# Altium PCB PCB3.PcbDoc (part 7 of 9)
Units mm, origin at the board's own origin, x right, y up, seen from the top; angles counter-clockwise.
Board outline 233.8 x 110.5 mm, 4 copper layers (Top Layer, Layer 1, Layer 2, Bottom Layer), stack 0.603 mm thick; 1414 components, 1732 nets, 4924 pads, 691 vias.
Unrouted connection lines stored in the file: 2464.
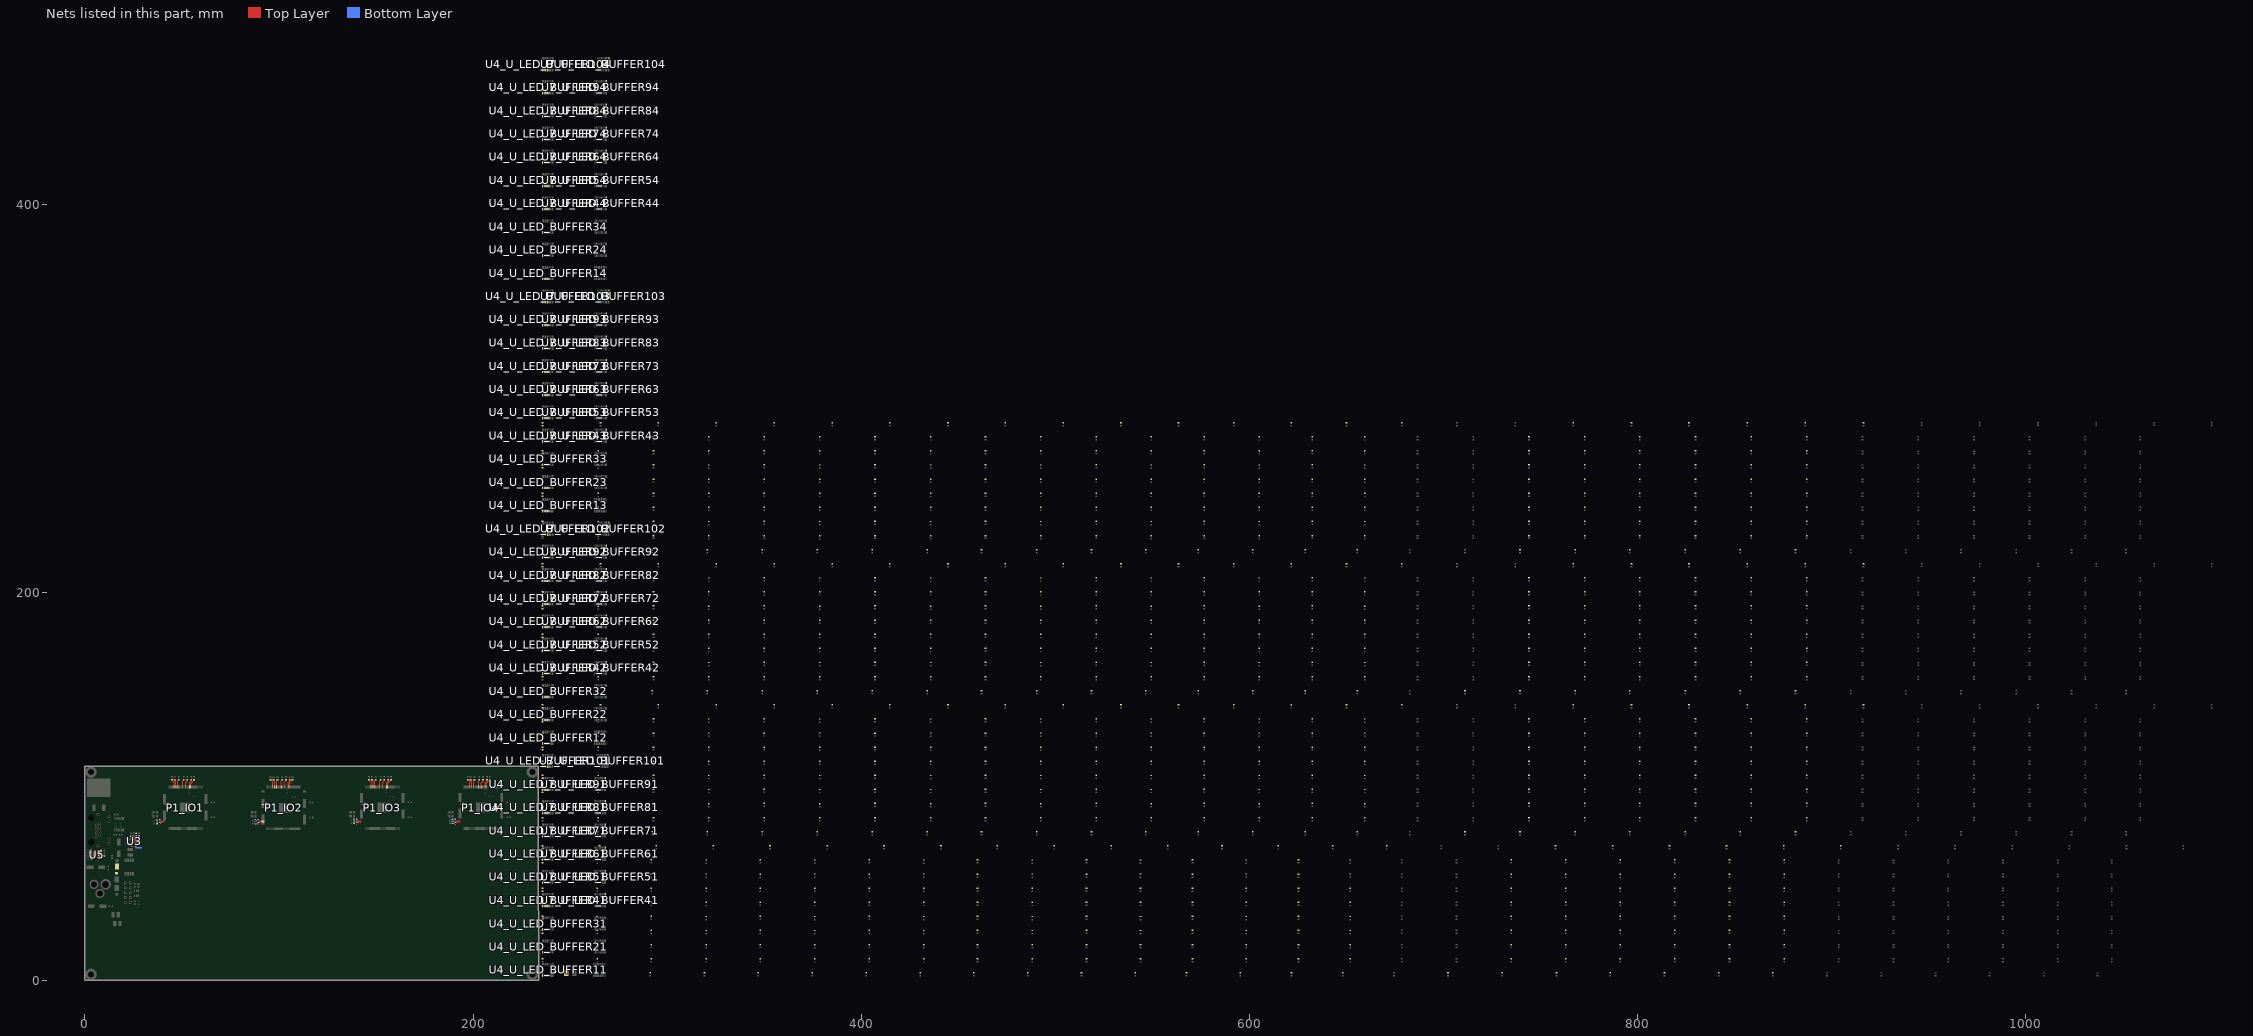
[diagram p9: the nets of this part, all layers, seen from the top]

## Via types
v1: diameter 0.61, hole 0.305, Top Layer to Bottom Layer, 691 vias

## Nets (pads, with @x,y where several pads share a name; then routed paths per layer and width w, separated by ;. In a path a pad name is that pad's centre, name@x,y a point inside that pad or via, vN(x,y) a via of type N, cw(c..) or ccw(c..) an arc to the next point about the centre after c; other vN are vias at no path point) (continued)
L_OUT8_U_LED_BUFFER41: R46_U_LED_BUFFER41.2 U7_U_LED_BUFFER41.11
L_OUT8_U_LED_BUFFER42: R46_U_LED_BUFFER42.2 U7_U_LED_BUFFER42.11
L_OUT8_U_LED_BUFFER43: R46_U_LED_BUFFER43.2 U7_U_LED_BUFFER43.11
L_OUT8_U_LED_BUFFER44: R46_U_LED_BUFFER44.2 U7_U_LED_BUFFER44.11
L_OUT8_U_LED_BUFFER51: R46_U_LED_BUFFER51.2 U7_U_LED_BUFFER51.11
L_OUT8_U_LED_BUFFER52: R46_U_LED_BUFFER52.2 U7_U_LED_BUFFER52.11
L_OUT8_U_LED_BUFFER53: R46_U_LED_BUFFER53.2 U7_U_LED_BUFFER53.11
L_OUT8_U_LED_BUFFER54: R46_U_LED_BUFFER54.2 U7_U_LED_BUFFER54.11
L_OUT8_U_LED_BUFFER61: R46_U_LED_BUFFER61.2 U7_U_LED_BUFFER61.11
L_OUT8_U_LED_BUFFER62: R46_U_LED_BUFFER62.2 U7_U_LED_BUFFER62.11
L_OUT8_U_LED_BUFFER63: R46_U_LED_BUFFER63.2 U7_U_LED_BUFFER63.11
L_OUT8_U_LED_BUFFER64: R46_U_LED_BUFFER64.2 U7_U_LED_BUFFER64.11
L_OUT8_U_LED_BUFFER71: R46_U_LED_BUFFER71.2 U7_U_LED_BUFFER71.11
L_OUT8_U_LED_BUFFER72: R46_U_LED_BUFFER72.2 U7_U_LED_BUFFER72.11
L_OUT8_U_LED_BUFFER73: R46_U_LED_BUFFER73.2 U7_U_LED_BUFFER73.11
L_OUT8_U_LED_BUFFER74: R46_U_LED_BUFFER74.2 U7_U_LED_BUFFER74.11
L_OUT8_U_LED_BUFFER81: R46_U_LED_BUFFER81.2 U7_U_LED_BUFFER81.11
L_OUT8_U_LED_BUFFER82: R46_U_LED_BUFFER82.2 U7_U_LED_BUFFER82.11
L_OUT8_U_LED_BUFFER83: R46_U_LED_BUFFER83.2 U7_U_LED_BUFFER83.11
L_OUT8_U_LED_BUFFER84: R46_U_LED_BUFFER84.2 U7_U_LED_BUFFER84.11
L_OUT8_U_LED_BUFFER91: R46_U_LED_BUFFER91.2 U7_U_LED_BUFFER91.11
L_OUT8_U_LED_BUFFER92: R46_U_LED_BUFFER92.2 U7_U_LED_BUFFER92.11
L_OUT8_U_LED_BUFFER93: R46_U_LED_BUFFER93.2 U7_U_LED_BUFFER93.11
L_OUT8_U_LED_BUFFER94: R46_U_LED_BUFFER94.2 U7_U_LED_BUFFER94.11
L_OUT8_U_LED_BUFFER101: R46_U_LED_BUFFER101.2 U7_U_LED_BUFFER101.11
L_OUT8_U_LED_BUFFER102: R46_U_LED_BUFFER102.2 U7_U_LED_BUFFER102.11
L_OUT8_U_LED_BUFFER103: R46_U_LED_BUFFER103.2 U7_U_LED_BUFFER103.11
L_OUT8_U_LED_BUFFER104: R46_U_LED_BUFFER104.2 U7_U_LED_BUFFER104.11
LED0_IO1: P1_IO1.32 R8_IO1.2 | length 2.4
  Top Layer w0.254: v1(38.594,82.384) 38.709,82.269 P1_IO1.32@40.944,82.269
LED0_IO2: P1_IO2.32 R8_IO2.2 | length 2.4
  Top Layer w0.254: v1(89.422,82.318) 89.537,82.203 P1_IO2.32@91.772,82.203
LED0_IO3: P1_IO3.32 R8_IO3.2 | length 2.4
  Top Layer w0.254: v1(140.143,82.405) 140.258,82.291 P1_IO3.32@142.493,82.291
LED0_IO4: P1_IO4.32 R8_IO4.2 | length 2.4
  Top Layer w0.254: v1(191.02,82.409) 191.134,82.295 P1_IO4.32@193.369,82.295
LED1_IO1: P1_IO1.33 R21_IO1.2 | length 2.8
  Top Layer w0.254: v1(38.518,80.783) 39.1,81.365 39.504,81.769 P1_IO1.33@40.944,81.769
LED1_IO2: P1_IO2.33 R21_IO2.2 | length 2.8
  Top Layer w0.254: v1(89.346,80.717) 89.928,81.299 90.332,81.703 P1_IO2.33@91.772,81.703
LED1_IO3: P1_IO3.33 R21_IO3.2 | length 2.8
  Top Layer w0.254: v1(140.067,80.805) 140.649,81.387 141.053,81.791 P1_IO3.33@142.493,81.791
LED1_IO4: P1_IO4.33 R21_IO4.2 | length 2.8
  Top Layer w0.254: v1(190.943,80.809) 191.525,81.391 191.929,81.795 P1_IO4.33@193.369,81.795
NetC18_1: C18.1 L4.1 U3.3 | length 12
  Top Layer w0.305: U3.3@25.671,70.788 25.671,70.407 26.006,70.073 v1(26.006,68.299)
  Bottom Layer w0.305: v1@26.115,68.408 26.397,68.69 C18.1@26.397,74.386
  Bottom Layer w0.762: v1(26.006,68.299) 29.133,68.299 29.242,68.408
NetC18_2: C18.2 R16.2
  other v1: 26.346,76.333
NetC21_2: C21.2 U3.1 | length 1.5
  Top Layer w0.254: C21.2@24.259,69.427 24.671,69.839 U3.1@24.671,70.788
NetC22_2: C22.2 U3.7 | length 2.9
  Top Layer w0.305: C22.2@23.591,74.386 23.591,73.945 24.132,73.405 24.666,73.405 25.171,72.899 U3.7@25.171,72.464
NetC25_2: C25.2 R18.1 R28.1 R29.1 | length 2.8
  Top Layer w0.305: 27.815,72.937 v1(27.815,73.626) 27.815,74.314 R18.1@27.817,74.317
  Bottom Layer w0.305: 27.815,72.937 27.815,74.376 C25.2@27.817,74.379
NetC77_2: C77.2 U5.11 | length 2.6
  Top Layer w0.178: U5.11@7.129,65.146 7.431,65.146 7.711,65.426 7.711,66.205 C77.2@8.485,66.978
NetD1_IO1_1: D1_IO1.1 R8_IO1.1
  other v1: 37.149,82.564
NetD1_IO2_1: D1_IO2.1 R8_IO2.1
  other v1: 87.977,82.498
NetD1_IO3_1: D1_IO3.1 R8_IO3.1
  other v1: 138.698,82.586
NetD1_IO4_1: D1_IO4.1 R8_IO4.1
  other v1: 189.574,82.589
NetD2_IO1_1: D2_IO1.1 R21_IO1.1 | length 0.5
  Bottom Layer w0.254: R21_IO1.1@36.684,81.337 v1(37.159,81.337)
NetD2_IO2_1: D2_IO2.1 R21_IO2.1 | length 0.5
  Bottom Layer w0.254: R21_IO2.1@87.512,81.271 v1(87.987,81.271)
NetD2_IO3_1: D2_IO3.1 R21_IO3.1 | length 0.5
  Bottom Layer w0.254: R21_IO3.1@138.233,81.359 v1(138.708,81.359)
NetD2_IO4_1: D2_IO4.1 R21_IO4.1 | length 0.5
  Bottom Layer w0.254: R21_IO4.1@189.11,81.363 v1(189.585,81.363)
NetD3_1: D3.1 R37.2
  other v1: 10.351,64.166
NetD3_2: D3.2 U5.9 | length 1.2
  Top Layer w0.178: U5.9@7.129,64.146 8.259,64.146 D3.2@8.318,64.205
NetD4_1: D4.1 D5.2
NetD7_U_LED_BUFFER11_2: D7_U_LED_BUFFER11.2 R9_U_LED_BUFFER11.1
NetD7_U_LED_BUFFER12_2: D7_U_LED_BUFFER12.2 R9_U_LED_BUFFER12.1
NetD7_U_LED_BUFFER13_2: D7_U_LED_BUFFER13.2 R9_U_LED_BUFFER13.1
NetD7_U_LED_BUFFER14_2: D7_U_LED_BUFFER14.2 R9_U_LED_BUFFER14.1
NetD7_U_LED_BUFFER21_2: D7_U_LED_BUFFER21.2 R9_U_LED_BUFFER21.1
NetD7_U_LED_BUFFER22_2: D7_U_LED_BUFFER22.2 R9_U_LED_BUFFER22.1
NetD7_U_LED_BUFFER23_2: D7_U_LED_BUFFER23.2 R9_U_LED_BUFFER23.1
NetD7_U_LED_BUFFER24_2: D7_U_LED_BUFFER24.2 R9_U_LED_BUFFER24.1
NetD7_U_LED_BUFFER31_2: D7_U_LED_BUFFER31.2 R9_U_LED_BUFFER31.1
NetD7_U_LED_BUFFER32_2: D7_U_LED_BUFFER32.2 R9_U_LED_BUFFER32.1
NetD7_U_LED_BUFFER33_2: D7_U_LED_BUFFER33.2 R9_U_LED_BUFFER33.1
NetD7_U_LED_BUFFER34_2: D7_U_LED_BUFFER34.2 R9_U_LED_BUFFER34.1
NetD7_U_LED_BUFFER41_2: D7_U_LED_BUFFER41.2 R9_U_LED_BUFFER41.1
NetD7_U_LED_BUFFER42_2: D7_U_LED_BUFFER42.2 R9_U_LED_BUFFER42.1
NetD7_U_LED_BUFFER43_2: D7_U_LED_BUFFER43.2 R9_U_LED_BUFFER43.1
NetD7_U_LED_BUFFER44_2: D7_U_LED_BUFFER44.2 R9_U_LED_BUFFER44.1
NetD7_U_LED_BUFFER51_2: D7_U_LED_BUFFER51.2 R9_U_LED_BUFFER51.1
NetD7_U_LED_BUFFER52_2: D7_U_LED_BUFFER52.2 R9_U_LED_BUFFER52.1
NetD7_U_LED_BUFFER53_2: D7_U_LED_BUFFER53.2 R9_U_LED_BUFFER53.1
NetD7_U_LED_BUFFER54_2: D7_U_LED_BUFFER54.2 R9_U_LED_BUFFER54.1
NetD7_U_LED_BUFFER61_2: D7_U_LED_BUFFER61.2 R9_U_LED_BUFFER61.1
NetD7_U_LED_BUFFER62_2: D7_U_LED_BUFFER62.2 R9_U_LED_BUFFER62.1
NetD7_U_LED_BUFFER63_2: D7_U_LED_BUFFER63.2 R9_U_LED_BUFFER63.1
NetD7_U_LED_BUFFER64_2: D7_U_LED_BUFFER64.2 R9_U_LED_BUFFER64.1
NetD7_U_LED_BUFFER71_2: D7_U_LED_BUFFER71.2 R9_U_LED_BUFFER71.1
NetD7_U_LED_BUFFER72_2: D7_U_LED_BUFFER72.2 R9_U_LED_BUFFER72.1
NetD7_U_LED_BUFFER73_2: D7_U_LED_BUFFER73.2 R9_U_LED_BUFFER73.1
NetD7_U_LED_BUFFER74_2: D7_U_LED_BUFFER74.2 R9_U_LED_BUFFER74.1
NetD7_U_LED_BUFFER81_2: D7_U_LED_BUFFER81.2 R9_U_LED_BUFFER81.1
NetD7_U_LED_BUFFER82_2: D7_U_LED_BUFFER82.2 R9_U_LED_BUFFER82.1
NetD7_U_LED_BUFFER83_2: D7_U_LED_BUFFER83.2 R9_U_LED_BUFFER83.1
NetD7_U_LED_BUFFER84_2: D7_U_LED_BUFFER84.2 R9_U_LED_BUFFER84.1
NetD7_U_LED_BUFFER91_2: D7_U_LED_BUFFER91.2 R9_U_LED_BUFFER91.1
NetD7_U_LED_BUFFER92_2: D7_U_LED_BUFFER92.2 R9_U_LED_BUFFER92.1
NetD7_U_LED_BUFFER93_2: D7_U_LED_BUFFER93.2 R9_U_LED_BUFFER93.1
NetD7_U_LED_BUFFER94_2: D7_U_LED_BUFFER94.2 R9_U_LED_BUFFER94.1
NetD7_U_LED_BUFFER101_2: D7_U_LED_BUFFER101.2 R9_U_LED_BUFFER101.1
NetD7_U_LED_BUFFER102_2: D7_U_LED_BUFFER102.2 R9_U_LED_BUFFER102.1
NetD7_U_LED_BUFFER103_2: D7_U_LED_BUFFER103.2 R9_U_LED_BUFFER103.1
NetD7_U_LED_BUFFER104_2: D7_U_LED_BUFFER104.2 R9_U_LED_BUFFER104.1
NetD8_U_LED_BUFFER11_2: D8_U_LED_BUFFER11.2 R17_U_LED_BUFFER11.1
NetD8_U_LED_BUFFER12_2: D8_U_LED_BUFFER12.2 R17_U_LED_BUFFER12.1
NetD8_U_LED_BUFFER13_2: D8_U_LED_BUFFER13.2 R17_U_LED_BUFFER13.1
NetD8_U_LED_BUFFER14_2: D8_U_LED_BUFFER14.2 R17_U_LED_BUFFER14.1
NetD8_U_LED_BUFFER21_2: D8_U_LED_BUFFER21.2 R17_U_LED_BUFFER21.1
NetD8_U_LED_BUFFER22_2: D8_U_LED_BUFFER22.2 R17_U_LED_BUFFER22.1
NetD8_U_LED_BUFFER23_2: D8_U_LED_BUFFER23.2 R17_U_LED_BUFFER23.1
NetD8_U_LED_BUFFER24_2: D8_U_LED_BUFFER24.2 R17_U_LED_BUFFER24.1
NetD8_U_LED_BUFFER31_2: D8_U_LED_BUFFER31.2 R17_U_LED_BUFFER31.1
NetD8_U_LED_BUFFER32_2: D8_U_LED_BUFFER32.2 R17_U_LED_BUFFER32.1
NetD8_U_LED_BUFFER33_2: D8_U_LED_BUFFER33.2 R17_U_LED_BUFFER33.1
NetD8_U_LED_BUFFER34_2: D8_U_LED_BUFFER34.2 R17_U_LED_BUFFER34.1
NetD8_U_LED_BUFFER41_2: D8_U_LED_BUFFER41.2 R17_U_LED_BUFFER41.1
NetD8_U_LED_BUFFER42_2: D8_U_LED_BUFFER42.2 R17_U_LED_BUFFER42.1
NetD8_U_LED_BUFFER43_2: D8_U_LED_BUFFER43.2 R17_U_LED_BUFFER43.1
NetD8_U_LED_BUFFER44_2: D8_U_LED_BUFFER44.2 R17_U_LED_BUFFER44.1
NetD8_U_LED_BUFFER51_2: D8_U_LED_BUFFER51.2 R17_U_LED_BUFFER51.1
NetD8_U_LED_BUFFER52_2: D8_U_LED_BUFFER52.2 R17_U_LED_BUFFER52.1
NetD8_U_LED_BUFFER53_2: D8_U_LED_BUFFER53.2 R17_U_LED_BUFFER53.1
NetD8_U_LED_BUFFER54_2: D8_U_LED_BUFFER54.2 R17_U_LED_BUFFER54.1
NetD8_U_LED_BUFFER61_2: D8_U_LED_BUFFER61.2 R17_U_LED_BUFFER61.1
NetD8_U_LED_BUFFER62_2: D8_U_LED_BUFFER62.2 R17_U_LED_BUFFER62.1
NetD8_U_LED_BUFFER63_2: D8_U_LED_BUFFER63.2 R17_U_LED_BUFFER63.1
NetD8_U_LED_BUFFER64_2: D8_U_LED_BUFFER64.2 R17_U_LED_BUFFER64.1
NetD8_U_LED_BUFFER71_2: D8_U_LED_BUFFER71.2 R17_U_LED_BUFFER71.1
NetD8_U_LED_BUFFER72_2: D8_U_LED_BUFFER72.2 R17_U_LED_BUFFER72.1
NetD8_U_LED_BUFFER73_2: D8_U_LED_BUFFER73.2 R17_U_LED_BUFFER73.1
NetD8_U_LED_BUFFER74_2: D8_U_LED_BUFFER74.2 R17_U_LED_BUFFER74.1
NetD8_U_LED_BUFFER81_2: D8_U_LED_BUFFER81.2 R17_U_LED_BUFFER81.1
NetD8_U_LED_BUFFER82_2: D8_U_LED_BUFFER82.2 R17_U_LED_BUFFER82.1
NetD8_U_LED_BUFFER83_2: D8_U_LED_BUFFER83.2 R17_U_LED_BUFFER83.1
NetD8_U_LED_BUFFER84_2: D8_U_LED_BUFFER84.2 R17_U_LED_BUFFER84.1
NetD8_U_LED_BUFFER91_2: D8_U_LED_BUFFER91.2 R17_U_LED_BUFFER91.1
NetD8_U_LED_BUFFER92_2: D8_U_LED_BUFFER92.2 R17_U_LED_BUFFER92.1
NetD8_U_LED_BUFFER93_2: D8_U_LED_BUFFER93.2 R17_U_LED_BUFFER93.1
NetD8_U_LED_BUFFER94_2: D8_U_LED_BUFFER94.2 R17_U_LED_BUFFER94.1
NetD8_U_LED_BUFFER101_2: D8_U_LED_BUFFER101.2 R17_U_LED_BUFFER101.1
NetD8_U_LED_BUFFER102_2: D8_U_LED_BUFFER102.2 R17_U_LED_BUFFER102.1
NetD8_U_LED_BUFFER103_2: D8_U_LED_BUFFER103.2 R17_U_LED_BUFFER103.1
NetD8_U_LED_BUFFER104_2: D8_U_LED_BUFFER104.2 R17_U_LED_BUFFER104.1
NetD9_U_LED_BUFFER11_2: D9_U_LED_BUFFER11.2 R19_U_LED_BUFFER11.1
NetD9_U_LED_BUFFER12_2: D9_U_LED_BUFFER12.2 R19_U_LED_BUFFER12.1
NetD9_U_LED_BUFFER13_2: D9_U_LED_BUFFER13.2 R19_U_LED_BUFFER13.1
NetD9_U_LED_BUFFER14_2: D9_U_LED_BUFFER14.2 R19_U_LED_BUFFER14.1
NetD9_U_LED_BUFFER21_2: D9_U_LED_BUFFER21.2 R19_U_LED_BUFFER21.1
NetD9_U_LED_BUFFER22_2: D9_U_LED_BUFFER22.2 R19_U_LED_BUFFER22.1
NetD9_U_LED_BUFFER23_2: D9_U_LED_BUFFER23.2 R19_U_LED_BUFFER23.1
NetD9_U_LED_BUFFER24_2: D9_U_LED_BUFFER24.2 R19_U_LED_BUFFER24.1
NetD9_U_LED_BUFFER31_2: D9_U_LED_BUFFER31.2 R19_U_LED_BUFFER31.1
NetD9_U_LED_BUFFER32_2: D9_U_LED_BUFFER32.2 R19_U_LED_BUFFER32.1
NetD9_U_LED_BUFFER33_2: D9_U_LED_BUFFER33.2 R19_U_LED_BUFFER33.1
NetD9_U_LED_BUFFER34_2: D9_U_LED_BUFFER34.2 R19_U_LED_BUFFER34.1
NetD9_U_LED_BUFFER41_2: D9_U_LED_BUFFER41.2 R19_U_LED_BUFFER41.1
NetD9_U_LED_BUFFER42_2: D9_U_LED_BUFFER42.2 R19_U_LED_BUFFER42.1
NetD9_U_LED_BUFFER43_2: D9_U_LED_BUFFER43.2 R19_U_LED_BUFFER43.1
NetD9_U_LED_BUFFER44_2: D9_U_LED_BUFFER44.2 R19_U_LED_BUFFER44.1
NetD9_U_LED_BUFFER51_2: D9_U_LED_BUFFER51.2 R19_U_LED_BUFFER51.1
NetD9_U_LED_BUFFER52_2: D9_U_LED_BUFFER52.2 R19_U_LED_BUFFER52.1
NetD9_U_LED_BUFFER53_2: D9_U_LED_BUFFER53.2 R19_U_LED_BUFFER53.1
NetD9_U_LED_BUFFER54_2: D9_U_LED_BUFFER54.2 R19_U_LED_BUFFER54.1
NetD9_U_LED_BUFFER61_2: D9_U_LED_BUFFER61.2 R19_U_LED_BUFFER61.1
NetD9_U_LED_BUFFER62_2: D9_U_LED_BUFFER62.2 R19_U_LED_BUFFER62.1
NetD9_U_LED_BUFFER63_2: D9_U_LED_BUFFER63.2 R19_U_LED_BUFFER63.1
NetD9_U_LED_BUFFER64_2: D9_U_LED_BUFFER64.2 R19_U_LED_BUFFER64.1
NetD9_U_LED_BUFFER71_2: D9_U_LED_BUFFER71.2 R19_U_LED_BUFFER71.1
NetD9_U_LED_BUFFER72_2: D9_U_LED_BUFFER72.2 R19_U_LED_BUFFER72.1
NetD9_U_LED_BUFFER73_2: D9_U_LED_BUFFER73.2 R19_U_LED_BUFFER73.1
NetD9_U_LED_BUFFER74_2: D9_U_LED_BUFFER74.2 R19_U_LED_BUFFER74.1
NetD9_U_LED_BUFFER81_2: D9_U_LED_BUFFER81.2 R19_U_LED_BUFFER81.1
NetD9_U_LED_BUFFER82_2: D9_U_LED_BUFFER82.2 R19_U_LED_BUFFER82.1
NetD9_U_LED_BUFFER83_2: D9_U_LED_BUFFER83.2 R19_U_LED_BUFFER83.1
NetD9_U_LED_BUFFER84_2: D9_U_LED_BUFFER84.2 R19_U_LED_BUFFER84.1
NetD9_U_LED_BUFFER91_2: D9_U_LED_BUFFER91.2 R19_U_LED_BUFFER91.1
NetD9_U_LED_BUFFER92_2: D9_U_LED_BUFFER92.2 R19_U_LED_BUFFER92.1
NetD9_U_LED_BUFFER93_2: D9_U_LED_BUFFER93.2 R19_U_LED_BUFFER93.1
NetD9_U_LED_BUFFER94_2: D9_U_LED_BUFFER94.2 R19_U_LED_BUFFER94.1
NetD9_U_LED_BUFFER101_2: D9_U_LED_BUFFER101.2 R19_U_LED_BUFFER101.1
NetD9_U_LED_BUFFER102_2: D9_U_LED_BUFFER102.2 R19_U_LED_BUFFER102.1
NetD9_U_LED_BUFFER103_2: D9_U_LED_BUFFER103.2 R19_U_LED_BUFFER103.1
NetD9_U_LED_BUFFER104_2: D9_U_LED_BUFFER104.2 R19_U_LED_BUFFER104.1
NetD10_U_LED_BUFFER11_2: D10_U_LED_BUFFER11.2 R22_U_LED_BUFFER11.1
NetD10_U_LED_BUFFER12_2: D10_U_LED_BUFFER12.2 R22_U_LED_BUFFER12.1
NetD10_U_LED_BUFFER13_2: D10_U_LED_BUFFER13.2 R22_U_LED_BUFFER13.1
NetD10_U_LED_BUFFER14_2: D10_U_LED_BUFFER14.2 R22_U_LED_BUFFER14.1
NetD10_U_LED_BUFFER21_2: D10_U_LED_BUFFER21.2 R22_U_LED_BUFFER21.1
NetD10_U_LED_BUFFER22_2: D10_U_LED_BUFFER22.2 R22_U_LED_BUFFER22.1
NetD10_U_LED_BUFFER23_2: D10_U_LED_BUFFER23.2 R22_U_LED_BUFFER23.1
NetD10_U_LED_BUFFER24_2: D10_U_LED_BUFFER24.2 R22_U_LED_BUFFER24.1
NetD10_U_LED_BUFFER31_2: D10_U_LED_BUFFER31.2 R22_U_LED_BUFFER31.1
NetD10_U_LED_BUFFER32_2: D10_U_LED_BUFFER32.2 R22_U_LED_BUFFER32.1
NetD10_U_LED_BUFFER33_2: D10_U_LED_BUFFER33.2 R22_U_LED_BUFFER33.1
NetD10_U_LED_BUFFER34_2: D10_U_LED_BUFFER34.2 R22_U_LED_BUFFER34.1
NetD10_U_LED_BUFFER41_2: D10_U_LED_BUFFER41.2 R22_U_LED_BUFFER41.1
NetD10_U_LED_BUFFER42_2: D10_U_LED_BUFFER42.2 R22_U_LED_BUFFER42.1
NetD10_U_LED_BUFFER43_2: D10_U_LED_BUFFER43.2 R22_U_LED_BUFFER43.1
NetD10_U_LED_BUFFER44_2: D10_U_LED_BUFFER44.2 R22_U_LED_BUFFER44.1
NetD10_U_LED_BUFFER51_2: D10_U_LED_BUFFER51.2 R22_U_LED_BUFFER51.1
NetD10_U_LED_BUFFER52_2: D10_U_LED_BUFFER52.2 R22_U_LED_BUFFER52.1
NetD10_U_LED_BUFFER53_2: D10_U_LED_BUFFER53.2 R22_U_LED_BUFFER53.1
NetD10_U_LED_BUFFER54_2: D10_U_LED_BUFFER54.2 R22_U_LED_BUFFER54.1
NetD10_U_LED_BUFFER61_2: D10_U_LED_BUFFER61.2 R22_U_LED_BUFFER61.1
NetD10_U_LED_BUFFER62_2: D10_U_LED_BUFFER62.2 R22_U_LED_BUFFER62.1
NetD10_U_LED_BUFFER63_2: D10_U_LED_BUFFER63.2 R22_U_LED_BUFFER63.1
NetD10_U_LED_BUFFER64_2: D10_U_LED_BUFFER64.2 R22_U_LED_BUFFER64.1
NetD10_U_LED_BUFFER71_2: D10_U_LED_BUFFER71.2 R22_U_LED_BUFFER71.1
NetD10_U_LED_BUFFER72_2: D10_U_LED_BUFFER72.2 R22_U_LED_BUFFER72.1
NetD10_U_LED_BUFFER73_2: D10_U_LED_BUFFER73.2 R22_U_LED_BUFFER73.1
NetD10_U_LED_BUFFER74_2: D10_U_LED_BUFFER74.2 R22_U_LED_BUFFER74.1
NetD10_U_LED_BUFFER81_2: D10_U_LED_BUFFER81.2 R22_U_LED_BUFFER81.1
NetD10_U_LED_BUFFER82_2: D10_U_LED_BUFFER82.2 R22_U_LED_BUFFER82.1
NetD10_U_LED_BUFFER83_2: D10_U_LED_BUFFER83.2 R22_U_LED_BUFFER83.1
NetD10_U_LED_BUFFER84_2: D10_U_LED_BUFFER84.2 R22_U_LED_BUFFER84.1
NetD10_U_LED_BUFFER91_2: D10_U_LED_BUFFER91.2 R22_U_LED_BUFFER91.1
NetD10_U_LED_BUFFER92_2: D10_U_LED_BUFFER92.2 R22_U_LED_BUFFER92.1
NetD10_U_LED_BUFFER93_2: D10_U_LED_BUFFER93.2 R22_U_LED_BUFFER93.1
NetD10_U_LED_BUFFER94_2: D10_U_LED_BUFFER94.2 R22_U_LED_BUFFER94.1
NetD10_U_LED_BUFFER101_2: D10_U_LED_BUFFER101.2 R22_U_LED_BUFFER101.1
NetD10_U_LED_BUFFER102_2: D10_U_LED_BUFFER102.2 R22_U_LED_BUFFER102.1
NetD10_U_LED_BUFFER103_2: D10_U_LED_BUFFER103.2 R22_U_LED_BUFFER103.1
NetD10_U_LED_BUFFER104_2: D10_U_LED_BUFFER104.2 R22_U_LED_BUFFER104.1
NetD11_U_LED_BUFFER11_2: D11_U_LED_BUFFER11.2 R26_U_LED_BUFFER11.1
NetD11_U_LED_BUFFER12_2: D11_U_LED_BUFFER12.2 R26_U_LED_BUFFER12.1
NetD11_U_LED_BUFFER13_2: D11_U_LED_BUFFER13.2 R26_U_LED_BUFFER13.1
NetD11_U_LED_BUFFER14_2: D11_U_LED_BUFFER14.2 R26_U_LED_BUFFER14.1
NetD11_U_LED_BUFFER21_2: D11_U_LED_BUFFER21.2 R26_U_LED_BUFFER21.1
NetD11_U_LED_BUFFER22_2: D11_U_LED_BUFFER22.2 R26_U_LED_BUFFER22.1
NetD11_U_LED_BUFFER23_2: D11_U_LED_BUFFER23.2 R26_U_LED_BUFFER23.1
NetD11_U_LED_BUFFER24_2: D11_U_LED_BUFFER24.2 R26_U_LED_BUFFER24.1
NetD11_U_LED_BUFFER31_2: D11_U_LED_BUFFER31.2 R26_U_LED_BUFFER31.1
NetD11_U_LED_BUFFER32_2: D11_U_LED_BUFFER32.2 R26_U_LED_BUFFER32.1
NetD11_U_LED_BUFFER33_2: D11_U_LED_BUFFER33.2 R26_U_LED_BUFFER33.1
NetD11_U_LED_BUFFER34_2: D11_U_LED_BUFFER34.2 R26_U_LED_BUFFER34.1
NetD11_U_LED_BUFFER41_2: D11_U_LED_BUFFER41.2 R26_U_LED_BUFFER41.1
NetD11_U_LED_BUFFER42_2: D11_U_LED_BUFFER42.2 R26_U_LED_BUFFER42.1
NetD11_U_LED_BUFFER43_2: D11_U_LED_BUFFER43.2 R26_U_LED_BUFFER43.1
NetD11_U_LED_BUFFER44_2: D11_U_LED_BUFFER44.2 R26_U_LED_BUFFER44.1
NetD11_U_LED_BUFFER51_2: D11_U_LED_BUFFER51.2 R26_U_LED_BUFFER51.1
NetD11_U_LED_BUFFER52_2: D11_U_LED_BUFFER52.2 R26_U_LED_BUFFER52.1
NetD11_U_LED_BUFFER53_2: D11_U_LED_BUFFER53.2 R26_U_LED_BUFFER53.1
NetD11_U_LED_BUFFER54_2: D11_U_LED_BUFFER54.2 R26_U_LED_BUFFER54.1
NetD11_U_LED_BUFFER61_2: D11_U_LED_BUFFER61.2 R26_U_LED_BUFFER61.1
NetD11_U_LED_BUFFER62_2: D11_U_LED_BUFFER62.2 R26_U_LED_BUFFER62.1
NetD11_U_LED_BUFFER63_2: D11_U_LED_BUFFER63.2 R26_U_LED_BUFFER63.1
NetD11_U_LED_BUFFER64_2: D11_U_LED_BUFFER64.2 R26_U_LED_BUFFER64.1
NetD11_U_LED_BUFFER71_2: D11_U_LED_BUFFER71.2 R26_U_LED_BUFFER71.1
NetD11_U_LED_BUFFER72_2: D11_U_LED_BUFFER72.2 R26_U_LED_BUFFER72.1
NetD11_U_LED_BUFFER73_2: D11_U_LED_BUFFER73.2 R26_U_LED_BUFFER73.1
NetD11_U_LED_BUFFER74_2: D11_U_LED_BUFFER74.2 R26_U_LED_BUFFER74.1
NetD11_U_LED_BUFFER81_2: D11_U_LED_BUFFER81.2 R26_U_LED_BUFFER81.1
NetD11_U_LED_BUFFER82_2: D11_U_LED_BUFFER82.2 R26_U_LED_BUFFER82.1
NetD11_U_LED_BUFFER83_2: D11_U_LED_BUFFER83.2 R26_U_LED_BUFFER83.1
NetD11_U_LED_BUFFER84_2: D11_U_LED_BUFFER84.2 R26_U_LED_BUFFER84.1
NetD11_U_LED_BUFFER91_2: D11_U_LED_BUFFER91.2 R26_U_LED_BUFFER91.1
NetD11_U_LED_BUFFER92_2: D11_U_LED_BUFFER92.2 R26_U_LED_BUFFER92.1
NetD11_U_LED_BUFFER93_2: D11_U_LED_BUFFER93.2 R26_U_LED_BUFFER93.1
NetD11_U_LED_BUFFER94_2: D11_U_LED_BUFFER94.2 R26_U_LED_BUFFER94.1
NetD11_U_LED_BUFFER101_2: D11_U_LED_BUFFER101.2 R26_U_LED_BUFFER101.1
NetD11_U_LED_BUFFER102_2: D11_U_LED_BUFFER102.2 R26_U_LED_BUFFER102.1
NetD11_U_LED_BUFFER103_2: D11_U_LED_BUFFER103.2 R26_U_LED_BUFFER103.1
NetD11_U_LED_BUFFER104_2: D11_U_LED_BUFFER104.2 R26_U_LED_BUFFER104.1
NetD12_U_LED_BUFFER11_2: D12_U_LED_BUFFER11.2 R27_U_LED_BUFFER11.1
NetD12_U_LED_BUFFER12_2: D12_U_LED_BUFFER12.2 R27_U_LED_BUFFER12.1
NetD12_U_LED_BUFFER13_2: D12_U_LED_BUFFER13.2 R27_U_LED_BUFFER13.1
NetD12_U_LED_BUFFER14_2: D12_U_LED_BUFFER14.2 R27_U_LED_BUFFER14.1
NetD12_U_LED_BUFFER21_2: D12_U_LED_BUFFER21.2 R27_U_LED_BUFFER21.1
NetD12_U_LED_BUFFER22_2: D12_U_LED_BUFFER22.2 R27_U_LED_BUFFER22.1
NetD12_U_LED_BUFFER23_2: D12_U_LED_BUFFER23.2 R27_U_LED_BUFFER23.1
NetD12_U_LED_BUFFER24_2: D12_U_LED_BUFFER24.2 R27_U_LED_BUFFER24.1
NetD12_U_LED_BUFFER31_2: D12_U_LED_BUFFER31.2 R27_U_LED_BUFFER31.1
NetD12_U_LED_BUFFER32_2: D12_U_LED_BUFFER32.2 R27_U_LED_BUFFER32.1
NetD12_U_LED_BUFFER33_2: D12_U_LED_BUFFER33.2 R27_U_LED_BUFFER33.1
NetD12_U_LED_BUFFER34_2: D12_U_LED_BUFFER34.2 R27_U_LED_BUFFER34.1
NetD12_U_LED_BUFFER41_2: D12_U_LED_BUFFER41.2 R27_U_LED_BUFFER41.1
NetD12_U_LED_BUFFER42_2: D12_U_LED_BUFFER42.2 R27_U_LED_BUFFER42.1
NetD12_U_LED_BUFFER43_2: D12_U_LED_BUFFER43.2 R27_U_LED_BUFFER43.1
NetD12_U_LED_BUFFER44_2: D12_U_LED_BUFFER44.2 R27_U_LED_BUFFER44.1
NetD12_U_LED_BUFFER51_2: D12_U_LED_BUFFER51.2 R27_U_LED_BUFFER51.1
NetD12_U_LED_BUFFER52_2: D12_U_LED_BUFFER52.2 R27_U_LED_BUFFER52.1
NetD12_U_LED_BUFFER53_2: D12_U_LED_BUFFER53.2 R27_U_LED_BUFFER53.1
NetD12_U_LED_BUFFER54_2: D12_U_LED_BUFFER54.2 R27_U_LED_BUFFER54.1
NetD12_U_LED_BUFFER61_2: D12_U_LED_BUFFER61.2 R27_U_LED_BUFFER61.1
NetD12_U_LED_BUFFER62_2: D12_U_LED_BUFFER62.2 R27_U_LED_BUFFER62.1
NetD12_U_LED_BUFFER63_2: D12_U_LED_BUFFER63.2 R27_U_LED_BUFFER63.1
NetD12_U_LED_BUFFER64_2: D12_U_LED_BUFFER64.2 R27_U_LED_BUFFER64.1
NetD12_U_LED_BUFFER71_2: D12_U_LED_BUFFER71.2 R27_U_LED_BUFFER71.1
NetD12_U_LED_BUFFER72_2: D12_U_LED_BUFFER72.2 R27_U_LED_BUFFER72.1
NetD12_U_LED_BUFFER73_2: D12_U_LED_BUFFER73.2 R27_U_LED_BUFFER73.1
NetD12_U_LED_BUFFER74_2: D12_U_LED_BUFFER74.2 R27_U_LED_BUFFER74.1
NetD12_U_LED_BUFFER81_2: D12_U_LED_BUFFER81.2 R27_U_LED_BUFFER81.1
NetD12_U_LED_BUFFER82_2: D12_U_LED_BUFFER82.2 R27_U_LED_BUFFER82.1
NetD12_U_LED_BUFFER83_2: D12_U_LED_BUFFER83.2 R27_U_LED_BUFFER83.1
NetD12_U_LED_BUFFER84_2: D12_U_LED_BUFFER84.2 R27_U_LED_BUFFER84.1
NetD12_U_LED_BUFFER91_2: D12_U_LED_BUFFER91.2 R27_U_LED_BUFFER91.1
NetD12_U_LED_BUFFER92_2: D12_U_LED_BUFFER92.2 R27_U_LED_BUFFER92.1
NetD12_U_LED_BUFFER93_2: D12_U_LED_BUFFER93.2 R27_U_LED_BUFFER93.1
NetD12_U_LED_BUFFER94_2: D12_U_LED_BUFFER94.2 R27_U_LED_BUFFER94.1
NetD12_U_LED_BUFFER101_2: D12_U_LED_BUFFER101.2 R27_U_LED_BUFFER101.1
NetD12_U_LED_BUFFER102_2: D12_U_LED_BUFFER102.2 R27_U_LED_BUFFER102.1
NetD12_U_LED_BUFFER103_2: D12_U_LED_BUFFER103.2 R27_U_LED_BUFFER103.1
NetD12_U_LED_BUFFER104_2: D12_U_LED_BUFFER104.2 R27_U_LED_BUFFER104.1
NetD13_U_LED_BUFFER11_2: D13_U_LED_BUFFER11.2 R45_U_LED_BUFFER11.1
NetD13_U_LED_BUFFER12_2: D13_U_LED_BUFFER12.2 R45_U_LED_BUFFER12.1
NetD13_U_LED_BUFFER13_2: D13_U_LED_BUFFER13.2 R45_U_LED_BUFFER13.1
NetD13_U_LED_BUFFER14_2: D13_U_LED_BUFFER14.2 R45_U_LED_BUFFER14.1
NetD13_U_LED_BUFFER21_2: D13_U_LED_BUFFER21.2 R45_U_LED_BUFFER21.1
NetD13_U_LED_BUFFER22_2: D13_U_LED_BUFFER22.2 R45_U_LED_BUFFER22.1
NetD13_U_LED_BUFFER23_2: D13_U_LED_BUFFER23.2 R45_U_LED_BUFFER23.1
NetD13_U_LED_BUFFER24_2: D13_U_LED_BUFFER24.2 R45_U_LED_BUFFER24.1
NetD13_U_LED_BUFFER31_2: D13_U_LED_BUFFER31.2 R45_U_LED_BUFFER31.1
NetD13_U_LED_BUFFER32_2: D13_U_LED_BUFFER32.2 R45_U_LED_BUFFER32.1
NetD13_U_LED_BUFFER33_2: D13_U_LED_BUFFER33.2 R45_U_LED_BUFFER33.1
NetD13_U_LED_BUFFER34_2: D13_U_LED_BUFFER34.2 R45_U_LED_BUFFER34.1
NetD13_U_LED_BUFFER41_2: D13_U_LED_BUFFER41.2 R45_U_LED_BUFFER41.1